# Altium PCB FMC_ADC_250M_16B_4ch.PcbDoc (part 6 of 8)
Units mm, origin at the board's own origin, x right, y up, seen from the top; angles counter-clockwise.
Board outline 76.75 x 69 mm, 8 copper layers (Top Layer, GND(SMAGND), L3, GND, L5, GND (Plane2), Power, Bottom Layer), stack 2.323 mm thick; 401 components, 423 nets, 2219 pads, 1334 vias.
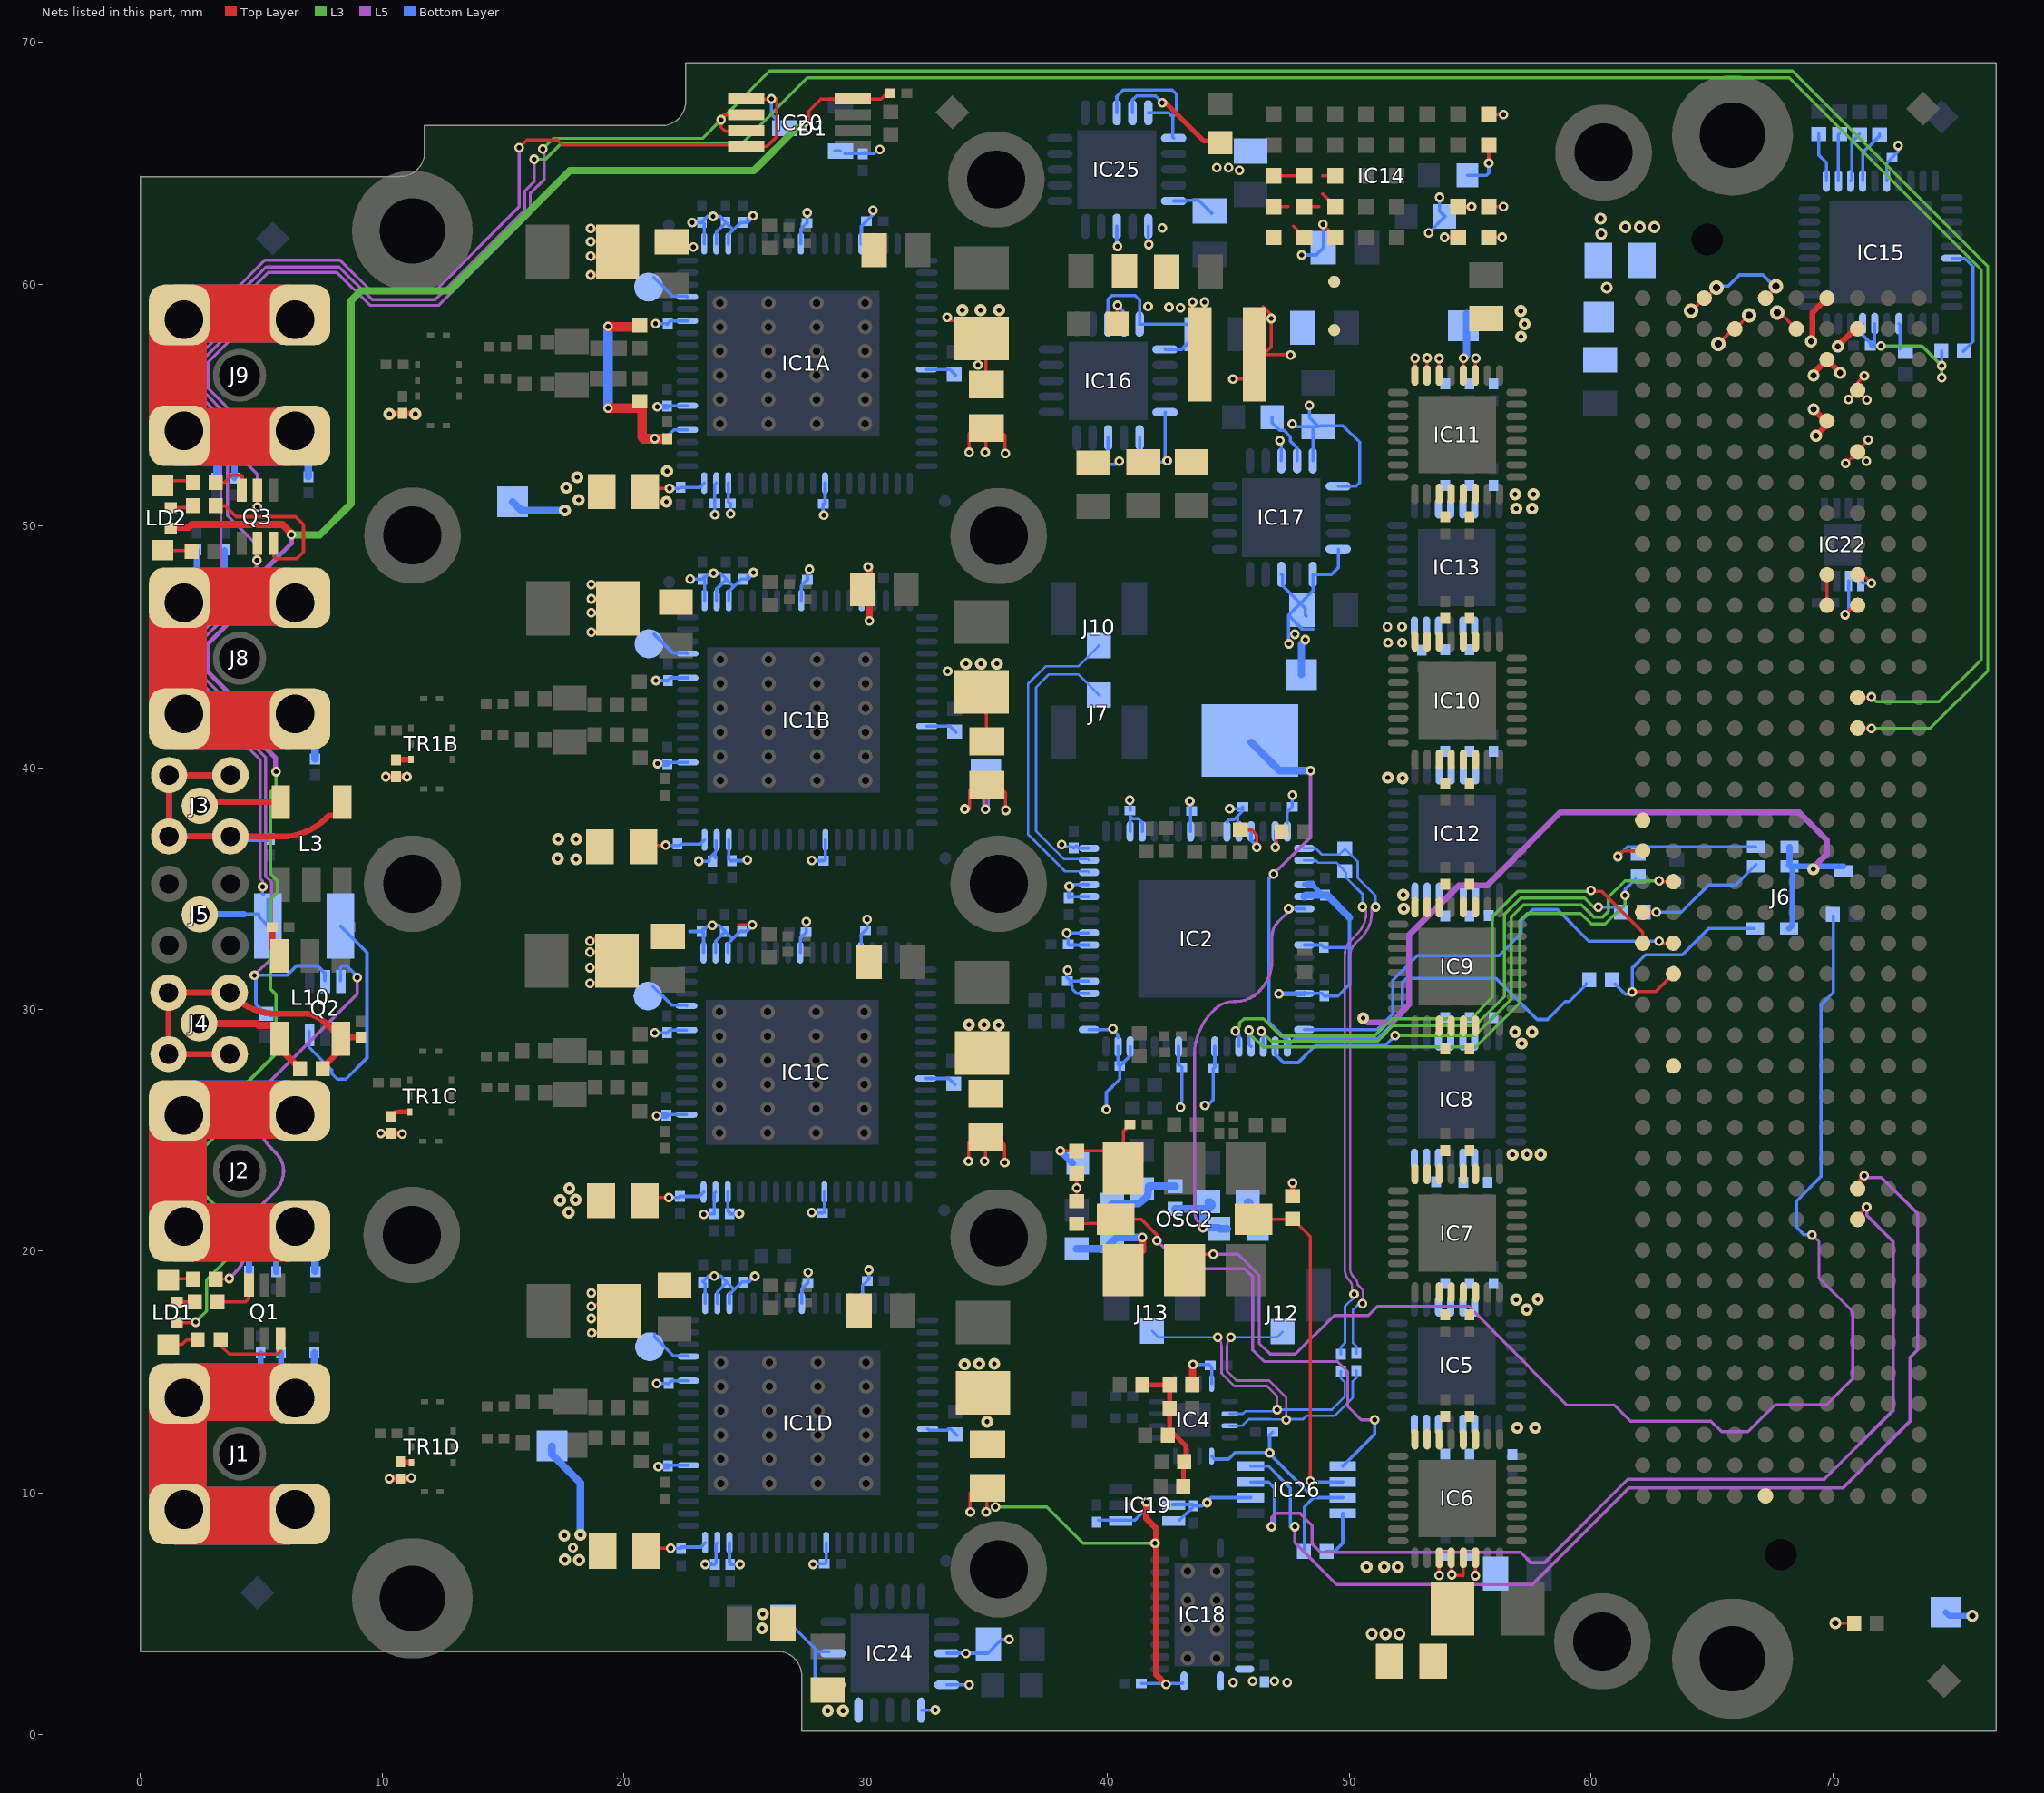
[diagram p12: the nets of this part, all layers, seen from the top]

## Via types
v1: diameter 0.4, hole 0.2, Top Layer to Bottom Layer, tented both sides, 961 vias
v2: diameter 0.5, hole 0.2, Top Layer to Bottom Layer, tented both sides, 314 vias
v3: diameter 0.4, hole 0.2, Top Layer to Bottom Layer, 33 vias
v4: diameter 0.5, hole 0.25, Top Layer to Bottom Layer, tented both sides, 19 vias
v5: diameter 0.6, hole 0.3, Top Layer to Bottom Layer, tented both sides, 7 vias

## Nets (pads, with @x,y where several pads share a name; then routed paths per layer and width w, separated by ;. In a path a pad name is that pad's centre, name@x,y a point inside that pad or via, vN(x,y) a via of type N, cw(c..) or ccw(c..) an arc to the next point about the centre after c; other vN are vias at no path point) (continued)
NetC55B_2: C55B.2 TR1B.3 | length 0.6
  Top Layer w0.135: TR1B.3@11.183,40.331 TR1B.3@11.189,40.331
  Top Layer w0.25: C55B.2@10.575,40.325 TR1B.3@11.183,40.325
NetC55C_2: C55C.2 TR1C.3 | length 0.9
  Top Layer w0.2: C55C.2@10.309,25.584 cw(c10.745,25.148) 10.745,25.764 TR1C.3@11.147,25.764
NetC55D_2: C55D.2 TR1D.3 | length 0.5
  Top Layer w0.25: C55D.2@10.75,11.288 ccw(c10.806,11.343) 10.806,11.264 TR1D.3@11.217,11.264
NetC59_2: C59.2 C63.1 L9.1 OSC2.6 | length 5.7
  Top Layer w0.135: v1(38.054,24.154) 38.059,24.149 L9.1@38.724,24.149 39.932,24.149 OSC2.6@40.655,23.427 ; OSC2.6@40.655,23.232 OSC2.6@40.655,23.427 ; C63.1@40.94,25.238 40.655,24.953 OSC2.6@40.655,23.427
  Bottom Layer w0.3: v1(38.054,24.154) C59.2@38.559,23.649
NetC61_2: C61.2 L10.1 | length 1.3
  Top Layer w0.254: C61.2@5.45,33.4 5.45,32.541 L10.1@5.78,32.211
NetC64_2: C64.2 IC2.6 R40.1 R42.2 | length 20.1
  L5 w0.123: v3(43.952,20.976) 44.059,20.976 cw(c44.325,21.642) 43.608,21.642 43.608,28.127 cw(c46.148,28.127) 44.352,29.923 44.428,29.999 cw(c45.225,29.202) 45.225,30.329 45.342,30.329 ccw(c45.342,31.556) 46.21,30.688 46.282,30.761 ccw(c45.017,32.027) 46.806,32.027 46.806,32.996 cw(c47.705,32.996) 47.069,33.631 ; 47.07,33.631 v1@47.603,34.165
  Bottom Layer w0.135: v1(47.501,34.165) IC2.6@48.142,34.166
  Bottom Layer w0.308: R40.1@42.8,21.755 44.175,21.755 C64.2@44.175,22.05 cw(c44.175,21.9) 44.325,21.9 43.952,21.527 v3(43.952,20.976) 44.574,20.976 R42.2@44.625,20.925 R42.2@44.955,20.925
NetC65_2: C65.2 R40.2 R64.1 | length 3.1
  Bottom Layer w0.308: R64.1@40.191,21.975 41.3,21.975 41.669,22.279 41.695,22.549 41.709,22.695 R40.2@42.8,22.695
NetC66_2: C66.2 OSC2.1 R64.2 | length 4.6
  Top Layer w0.308: OSC2.1@40.655,19.227 41.45,20.022 v3(41.45,20.575)
  Bottom Layer w0.308: C66.2@38.725,20.1 39.916,20.1 R64.2@40.191,20.375 40.391,20.575 v3(41.45,20.575)
NetC67_2: C67.2 R42.1 | length 1.2
  Bottom Layer w0.308: C67.2@45.8,22.05 cw(c45.8,21.955) 45.895,21.955 R42.1@45.895,20.925
NetC69_1: C69.1 IC25.14 | length 5.2
  Top Layer w0.135: C69.1@44.207,65.975 C69.1@44.625,65.975
  Top Layer w0.2: v1(42.269,67.502) 42.398,67.502 43.975,65.925 C69.1@44.425,65.925
  Bottom Layer w0.135: IC25.14@41.039,67.084 41.039,67.619 41.202,67.782 41.99,67.782 v1(42.269,67.502)
NetC73_1: C73.1 IC17.13 IC17.15 IC17.16 L7.2 | length 9
  Bottom Layer w0.135: v1(47.138,53.525) 47.181,53.525 47.197,53.509 IC17.13@47.197,52.69 ; v1(47.648,54.219) 47.759,54.107 C73.1@48.497,54.107 ; v1(48.351,54.982) 48.351,54.488 C73.1@48.732,54.107 C73.1@48.497,54.107 ; IC17.15@48.497,52.69 C73.1@48.497,54.107 ; C73.1@48.808,54.143 49.748,54.143 50.434,53.458 50.434,51.781 50.293,51.64 IC17.16@49.547,51.64
NetC126_1: C126.1 IC16.14 | length 1.7
  Top Layer w0.135: C126.1@40.402,58.358 40.402,59.108 v1(40.415,59.12)
  Bottom Layer w0.135: v1(40.415,59.12) 40.684,58.851 IC16.14@40.684,58.346
NetC128_1: C128.1 IC17.14 | length 2.3
  Bottom Layer w0.135: C128.1@46.82,54.491 46.82,54.252 47.127,53.945 47.312,53.945 47.564,53.693 47.564,53.508 47.847,53.225 IC17.14@47.847,52.69
NetD1_3: D1.3 IC20.1 IC20.4 J5.1 R48.2 | length 64
  Top Layer w0.135: v1(15.675,65.635) 15.993,65.953 17.247,65.953 17.45,65.75 24.981,65.75 25.034,65.697 25.922,65.697 26.325,66.1 26.325,67.647 IC20.1@25.064,67.647 IC20.1@25.034,67.647
  L5 w0.123: v1(5.058,35.079) 5.058,35.318 4.956,35.42 4.956,40.337 3.966,41.327 3.966,42.064 2.264,43.766 2.264,45.306 3.331,46.373 3.331,54.51 2.34,55.501 2.34,56.948 3.791,58.399 3.791,59.626 5.152,60.987 8.266,60.987 9.628,59.625 12.1,59.625 15.675,63.2 v1(15.675,65.635)
  Bottom Layer w0.135: J5.1@2.456,33.925 2.476,33.945 J5.1@3.081,33.945 ; 4.292,33.945 4.897,33.945 4.917,33.925 4.917,33.815 R48.2@5.281,33.45 R48.2@5.281,34.551 ; v1(5.058,35.079) 5.058,34.774 R48.2@5.083,34.749 ; v1(26.1,67.656) 26.1,67.021 D1.3@26.71,66.412
  Bottom Layer w0.254: J5.1@3.081,33.945 4.292,33.945
NetIC1A_15: IC1A.15 TP1A.1 | length 1.7
  Bottom Layer w0.135: TP1A.1@21.239,60.273 22.01,59.502 22.594,59.502 IC1A.15@22.625,59.471
NetIC1A_46: IC1A.46 R1A.1 | length 1.3
  Bottom Layer w0.135: IC1A.46@32.525,56.471 33.471,56.471 R1A.1@33.727,56.215
NetIC1B_15: IC1B.15 TP1B.1 | length 1.7
  Bottom Layer w0.135: TP1B.1@21.253,45.519 22.024,44.748 22.608,44.748 IC1B.15@22.639,44.717
NetIC1B_46: IC1B.46 R1B.1 | length 1.3
  Bottom Layer w0.135: IC1B.46@32.539,41.717 33.485,41.717 R1B.1@33.741,41.461
NetIC1C_15: IC1C.15 TP1C.1 | length 1.7
  Bottom Layer w0.135: TP1C.1@21.21,30.952 21.981,30.181 22.565,30.181 IC1C.15@22.597,30.15
NetIC1C_46: IC1C.46 R1C.1 | length 1.3
  Bottom Layer w0.135: IC1C.46@32.497,27.15 33.443,27.15 R1C.1@33.698,26.894
NetIC1D_15: IC1D.15 TP1D.1 | length 1.8
  Bottom Layer w0.135: TP1D.1@21.28,16.578 21.28,16.452 22.051,15.681 22.635,15.681 IC1D.15@22.667,15.65
NetIC1D_46: IC1D.46 R1D.1 | length 1.3
  Bottom Layer w0.135: IC1D.46@32.567,12.65 32.612,12.605 33.377,12.605 33.422,12.65 33.513,12.65 R1D.1@33.768,12.394
NetIC2_61: IC2.61 R30.1 | length 2
  Top Layer w0.135: R30.1@45.52,37.416 45.984,37.416 46.181,37.219 v1(46.181,36.705)
  Bottom Layer w0.135: IC2.61@45.942,37.366 45.942,36.994 46.206,36.73 v1(46.181,36.705)
NetIC2_63: IC2.63 R29.1 | length 1.2
  Top Layer w0.135: v1@47.006,36.768 47.006,37.149 R29.1@47.113,37.256
  Bottom Layer w0.135: v1(46.943,36.705) IC2.63@46.942,37.366
NetIC14_A2: IC14.A2 R43.1 | length 2.1
  Top Layer w0.135: v1(55.774,65.006) IC14.A2@55.774,65.743
  Bottom Layer w0.135: R43.1@54.897,64.498 55.68,64.498 55.774,64.592 v1(55.774,65.006)
NetIC15_11: IC15.11 R32.1 | length 2.1
  Bottom Layer w0.135: R32.1@69.431,66.225 R32.1@69.431,66.205 69.431,65.325 69.738,65.019 IC15.11@69.738,64.263
NetIC15_12: IC15.12 R33.1 | length 2
  Bottom Layer w0.135: IC15.12@70.238,64.263 70.238,66.181 R33.1@70.281,66.225
NetIC15_13: IC15.13 R34.1 | length 2.1
  Bottom Layer w0.135: IC15.13@70.738,64.263 70.801,64.326 70.801,65.895 R34.1@71.106,66.2
NetIC15_14: IC15.14 R35.1 | length 2.2
  Bottom Layer w0.135: IC15.14@71.238,64.263 71.238,65.442 71.476,65.68 71.497,65.68 71.931,66.114 R35.1@71.931,66.18 R35.1@71.931,66.2
NetIC15_26: IC15.26 R47.2 | length 4.7
  Bottom Layer w0.135: IC15.26@74.938,61.063 75.468,61.063 75.806,60.725 75.806,57.625 R47.2@75.406,57.225
NetIC15_34: IC15.34 R46.2 | length 1.1
  Bottom Layer w0.135: IC15.34@72.738,58.363 72.781,58.319 R46.2@72.781,57.325
NetIC26_5: IC26.5 OSC2.7 R12.1 | length 21.1
  Top Layer w0.135: R12.1@38.724,21.156 40.172,21.156 OSC2.7@40.342,21.327 41.405,21.327 42.056,20.675 v1(42.056,20.44) v1@42.045,20.44
  L5 w0.123: 46.006,18.95 46.006,15.924 46.485,15.445 49.508,15.445 49.94,15.013 49.94,13.591 50.499,13.032 v1(51.057,13.032)
  L5 w0.135: v1(42.056,20.44) 43.215,19.28 45.676,19.28 46.006,18.95
  Bottom Layer w0.135: IC26.5@49.732,11.111 51.057,12.437 v1(51.057,13.032)
NetIC26_6: IC26.6 OSC2.8 R13.1 | length 14
  Top Layer w0.135: OSC2.8@46.047,21.327 47.632,21.327 47.665,21.359 R13.1@47.665,21.339 48.39,20.614 v1(48.39,10.492)
  Bottom Layer w0.135: v1@48.523,10.461 IC26.6@49.732,10.461
NetIC26_8: IC26.8 R55.2 | length 2.1
  Bottom Layer w0.135: R55.2@49.044,7.596 R55.2@49.064,7.596 49.406,7.596 49.732,7.921 IC26.8@49.732,9.161
NetJ1_2: C9D.2 C54D.2 C55D.1 J1.2 R41D.2 | length 32.6
  Top Layer w0.135: J1.2@6.406,9.325 J1.2@6.781,8.95 ; C55D.1@10.75,10.588 cw(c10.84,10.497) 10.84,10.625 v1(11.2,10.625)
  Top Layer w0.25: v1(10.3,10.6) 10.72,10.6 cw(c10.72,10.558) C55D.1@10.75,10.588 11.11,10.588 ccw(c11.11,10.715) v1(11.2,10.625)
  Top Layer w2.4: J1.2@6.055,9.069 1.553,9.069 1.553,14.175 6.056,14.175 J1.2@6.117,14.114
  Bottom Layer w0.25: 4.975,15.256 C54D.2@4.975,15.8 ; J1.2@5.825,14.406 C9D.2@5.825,15.8
  Bottom Layer w0.308: J1.2@7.2,15.319 R41D.2@7.2,15.795
  Bottom Layer w2.4: J1.2@6.055,9.069 1.553,9.069 1.553,14.175 J1.2@6.056,14.175
NetJ2_2: C9C.2 C54C.2 C55C.1 J2.2 R41C.2 | length 34.7
  Top Layer w0.2: J2.2@6.083,20.779 J2.2@6.112,20.75
  Top Layer w0.25: v1(9.95,24.875) C55C.1@10.375,24.875 v1@10.8,24.875
  Top Layer w2.4: J2.2@6.083,20.779 1.553,20.779 1.553,25.859 6.11,25.859 J2.2@6.154,25.814
  Bottom Layer w0.25: C54C.2@4.5,19.175 4.5,20.744 ; C9C.2@5.625,19.15 5.625,20.339 J2.2@6.055,20.769
  Bottom Layer w0.308: J2.2@6.425,20.9 7.225,20.1 R41C.2@7.225,19.175
  Bottom Layer w2.4: J2.2@6.055,20.769 1.553,20.769 1.553,25.875 J2.2@6.056,25.875
  other v1: 10.825,24.85
NetJ3_1: J3.1 L3.4 | length 2.8
  Top Layer w0.135: L3.4@5.667,38.712 L3.4@5.704,38.675
  Top Layer w0.245: J3.1@3.093,38.578 L3.4@5.812,38.578
NetJ3_2: J3.2 L3.5 R24.2 | length 21.3
  Top Layer w0.245: J3.2@3.729,37.155 J3.2@1.189,37.155 J3.2@1.189,39.695 J3.2@3.729,39.695 ; J3.2@4.298,37.155 5.877,37.155 ccw(c5.877,39.695) 7.673,37.899 7.796,38.022 8.352,38.022 L3.5@8.352,38.578
  Bottom Layer w0.245: J3.2@1.189,39.695 J3.2@3.729,39.695 ; J3.2@1.223,39.522 ccw(c1.684,38.996) 1.189,39.49 J3.2@1.189,37.155 J3.2@3.729,37.155 ; J3.2@3.986,37.049 R24.2@5.35,37.049
NetJ4_1: J4.1 L10.5 R28.1 | length 5.4
  Top Layer w0.3: J4.1@2.434,29.425 2.438,29.421 4.829,29.421 4.9,29.35 5.55,29.35 5.78,29.12 5.78,28.375 R28.1@6.605,27.55
NetJ4_2: J4.2 L10.4 R28.2 R37.1 | length 15.1
  Top Layer w0.254: J4.2@3.704,28.155 J4.2@1.164,28.155 J4.2@1.164,30.695 J4.2@3.704,30.695 ; J4.2@3.83,30.569 ccw(c5.626,32.365) 4.7,30 ccw(c5.626,32.365) 5.626,29.825 6.75,29.825 cw(c6.75,28.556) 7.647,29.453 L10.4@8.305,28.795 ; R28.2@7.545,27.55 7.545,27.601 8.147,28.204 8.199,28.204 8.32,28.325 8.32,28.781 L10.4@8.305,28.795 ; L10.4@8.295,28.785 L10.4@8.305,28.795 ; R37.1@9.125,28.845 8.355,28.845 L10.4@8.305,28.795
NetJ8_2: C9B.2 C54B.2 C55B.1 J8.2 R41B.2 | length 33.7
  Top Layer w0.135: J8.2@6.306,46.825 J8.2@6.93,46.825
  Top Layer w0.2: J8.2@6.062,41.962 J8.2@6.145,41.962
  Top Layer w0.25: v1(10.15,39.625) C55B.1@10.575,39.625 v1(11.025,39.625)
  Top Layer w2.4: J8.2@6.062,41.962 1.553,41.962 1.553,47.068 6.063,47.068 J8.2@6.117,47.014
  Bottom Layer w0.25: J8.2@2.332,47.854 C54B.2@2.332,49 ; C9B.2@3.5,49 3.5,47.975 4.202,47.273 4.202,47.075
  Bottom Layer w0.308: R41B.2@7.225,40.355 J8.2@7.225,40.8
  Bottom Layer w2.4: J8.2@6.055,41.969 1.553,41.969 1.553,47.075 4.202,47.075 4.203,47.073 6.055,47.073 J8.2@6.056,47.075
NetJ9_2: C9A.2 C54A.2 C55A.1 J9.2 R41A.2 | length 32.5
  Top Layer w0.135: v2@11.35,54.65 v2(11.375,54.625)
  Top Layer w0.25: v2(10.3,54.625) cw(c10.36,54.565) 10.36,54.65 C55A.1@10.85,54.65 v2@11.35,54.65
  Top Layer w0.5: J9.2@6.406,54.023 J9.2@6.555,53.875
  Top Layer w2.4: J9.2@6.153,53.672 2.06,53.672 J9.2@1.806,53.925 1.553,54.179 1.553,58.271 J9.2@1.806,58.525 2.059,58.777 J9.2@6.154,58.777
  Bottom Layer w0.25: C9A.2@3.145,51.975 3.145,52.914 ; C54A.2@3.9,51.975 3.9,53.669
  Bottom Layer w0.308: R41A.2@6.95,52.03 J9.2@6.95,52.775
  Bottom Layer w2.4: J9.2@6.055,53.669 3.9,53.669 1.553,53.669 1.553,58.775 J9.2@6.056,58.775
NetLD1_1: LD1.1 R2.2 | length 1.3
  Top Layer w0.135: LD1.1@1.156,16.15 1.721,16.15 1.905,16.334 R2.2@2.378,16.334 R2.2@2.398,16.334
NetLD1_3: LD1.3 R11.2 | length 0.5
  Top Layer w0.135: LD1.3@1.506,17.9 R11.2@2.021,17.9
NetLD1_4: LD1.4 R27.2 | length 0.5
  Top Layer w0.135: LD1.4@1.412,18.888 1.412,18.863 R27.2@1.92,18.863
NetLD2_1: LD2.1 R65.2 | length 1.4
  Top Layer w0.135: LD2.1@1.131,49 LD2.1@0.906,49 0.926,48.98 R65.2@2.112,48.98
NetLD2_3: LD2.3 R38.2 | length 0.9
  Top Layer w0.135: LD2.3@1.256,50.75 R38.2@2.118,50.75
NetLD2_4: LD2.4 R39.2 | length 1.1
  Top Layer w0.135: LD2.4@1.156,51.675 1.352,51.871 R39.2@2.162,51.871
NetQ1_3: Q1.3 R11.1 | length 2
  Top Layer w0.135: R11.1@3.171,17.909 R11.1@3.191,17.909 4.347,17.909 4.495,18.056 Q1.3@4.495,18.662
NetQ1_6: Q1.6 R2.1 | length 3.6
  Top Layer w0.135: R2.1@3.298,16.334 3.298,16.138 3.686,15.75 5.693,15.75 5.795,15.851 Q1.6@5.795,16.562
NetQ2_3: Q2.3 R48.1 | length 10
  Bottom Layer w0.135: Q2.3@6.981,29.1 6.981,28.431 7.926,27.487 7.926,27.341 8.142,27.125 8.509,27.125 9.376,27.992 9.376,32.355 R48.1@8.281,33.45
NetQ2_6: Q2.6 R27.1 | length 17.3
  Top Layer w0.135: R27.1@3.115,18.848 v1@3.763,18.848
  L5 w0.135: v1(3.686,18.874) 3.841,19.029 ccw(c2.07,20.8) 4.575,20.8 cw(c6.205,20.8) 5.052,21.952 5.571,22.471 ccw(c4.718,23.325) 5.925,23.325 ccw(c4.899,23.325) 5.624,24.051 5.45,24.225 cw(c7.2,25.975) 4.725,25.975 cw(c5.725,25.975) 5.018,26.682 ; 5.018,26.682 8.973,30.637 v1(8.973,31.325)
  Bottom Layer w0.135: Q2.6@8.281,31.2 8.281,31.724 8.36,31.802 8.538,31.802 8.973,31.367 v1(8.973,31.325)
NetQ3_3: Q3.3 R39.1 | length 1.9
  Top Layer w0.135: R39.1@3.095,51.792 R39.1@3.115,51.792 3.483,51.792 3.788,52.097 4.16,52.097 4.215,52.042 Q3.3@4.215,51.428
NetQ3_6: Q3.6 R38.1 | length 7.1
  Top Layer w0.135: R38.1@3.095,50.827 R38.1@3.115,50.827 3.509,50.827 3.961,50.375 6.424,50.375 6.75,50.049 6.75,48.925 6.468,48.643 5.617,48.643 5.515,48.744 Q3.6@5.515,49.328
NetR5_2: R5.2 R7.1 R22.2 R25.2 R54.2 R56.2 | length 5.4
  Top Layer w0.2: 41.745,14.475 R5.2@42.58,14.475 R7.1@42.58,13.5 42.58,12.478 R54.2@42.495,12.393 ; R54.2@42.65,12.55 43.245,11.955 R22.2@43.245,11.3 ; R25.2@43.145,10.275 R22.2@43.145,11.275
P1V8_AVDD1: AVDD1.1 C39.1 C40.1 C75.1 IC24.1 IC24.3 IC24.20 L4C.1 L4D.1 | length 8.2
  Bottom Layer w0.135: C40.1@26.581,4.675 26.801,4.675 27.904,3.572 ; IC24.1@28.209,2.073 27.904,2.378 27.904,3.572 ; IC24.3@28.488,3.445 28.031,3.445 27.904,3.572
  Bottom Layer w0.308: AVDD1.1@17.025,11.95 17.025,11.6 18.201,10.424 v2(18.201,8.271)
  other v1: 17.896,7.738
  other v2: 28.437,1.007 29.072,1.007 25.719,4.41 25.745,4.994 18.15,7.23 17.566,7.255 17.541,8.246 17.718,21.606 17.363,22.114 18.006,22.125 17.744,22.597
P1V8_AVDD2: AVDD2.1 C43.1 C44.1 C45.1 IC25.1 IC25.3 IC25.20 L4A.1 L4B.1 | length 5.7
  Bottom Layer w0.135: IC25.3@40.389,62.384 40.389,61.584 v1(40.415,61.559) ; IC25.1@41.689,62.384 41.689,61.656 v1(41.71,61.635) ; IC25.20@42.739,63.434 43.255,63.434 43.285,63.464 43.782,63.464 C44.1@44.326,62.919
  Bottom Layer w0.308: AVDD2.1@15.4,51 15.762,50.638 v2(17.566,50.638)
  other v1: 42.269,62.321
  other v2: 18.023,36.211 17.261,36.236 17.287,37.049 18.023,37.049 18.125,51.07 17.617,51.578 18.074,52.01
P1V8_OVDD: C25.1 C71.1 C72.1 C125.1 C129.2 IC16.1 IC16.3 IC16.20 IC18.1 IC19.1 L5A.2 L5B.2 L5C.2 L5D.2 OVDD.1 | length 45.3
  Top Layer w0.135: v1@34.076,38.294 v1(34.101,38.294) 34.295,38.294 34.3,38.289 34.3,39.072 L5B.2@34.994,39.766 ; v1(34.257,23.722) 34.257,24.505 L5C.2@34.952,25.199 ; v1(34.285,53.043) 34.285,53.826 L5A.2@34.98,54.52 ; v1(34.327,9.222) 34.327,10.005 35.022,10.699 35.022,9.256 v1(34.987,9.222) ; v1(34.917,23.722) 34.952,23.756 L5C.2@34.952,25.199 ; v1(34.946,53.043) 34.98,53.077 L5A.2@34.98,54.52 ; v1(34.96,38.289) 34.994,38.323 L5B.2@34.994,39.766 ; v1(35.756,23.671) 35.743,23.684 35.743,24.408 L5C.2@34.952,25.199 ; v1(35.784,52.992) 35.772,53.004 35.772,53.729 L5A.2@34.98,54.52 ; v1(35.798,38.238) 35.786,38.25 35.786,38.975 L5B.2@34.994,39.766 ; v1(41.964,7.926) v1@42.015,7.977
  Top Layer w0.254: v1(41.609,9.628) 41.609,8.942 42.015,8.536 42.015,7.977 42.015,2.495 v1(42.424,2.086)
  L3 w0.135: v1(35.375,9.425) 37.494,9.425 38.992,7.926 v1(41.964,7.926)
  Bottom Layer w0.135: C129.2@39.634,8.88 41.14,8.88 41.609,9.349 v1(41.609,9.628) ; IC16.3@40.034,53.646 40.034,52.643 40.135,52.542 40.364,52.542 v1(40.491,52.669) ; IC16.1@41.334,53.646 41.334,52.791 41.482,52.643 42.447,52.643 42.472,52.669 v1(42.472,52.694) 42.384,52.783 IC16.20@42.384,54.696 ; C25.1@41.411,2.124 v1@42.385,2.124 ; v1(42.424,2.086) v1@42.385,2.124 ; IC18.1@43.118,2.15 43.093,2.124 v1@42.385,2.124
  Bottom Layer w0.308: v1@34.975,38.304 OVDD.1@34.975,39.7
P1V8AA: C1A.2 C2A.2 C3A.2 C4A.2 C5A.2 C6A.2 C13A.1 C24A.2 C52A.2 C133A.2 IC1A.6 IC1A.13 IC1A.19 IC1A.20 IC1A.21 IC1A.70 IC1A.71 IC1A.72 L4A.2 | length 19.1
  Top Layer w0.135: v1(18.626,60.378) 18.843,60.378 18.929,60.292 19.045,60.409 C13A.1@19.045,60.642 ; v1(18.626,61.153) 18.78,61.153 19.168,60.764 C13A.1@19.742,61.338 ; v1(18.626,62.303) 18.778,62.303 C13A.1@19.742,61.338 ; C13A.1@18.863,60.46 C13A.1@19.742,61.338 ; L4A.2@20.885,51.417 21.012,51.544 v1(21.89,51.544)
  Bottom Layer w0.135: v1(21.312,58.357) C1A.2@21.814,58.357 ; v1(21.382,54.922) v1@21.388,54.928 ; C5A.2@21.789,54.928 21.831,54.971 IC1A.6@22.625,54.971 ; C1A.2@21.789,58.332 C1A.2@21.814,58.357 ; v1(21.89,51.544) 22.302,51.544 C24A.2@22.347,51.589 23.144,51.589 IC1A.72@23.325,51.771 ; IC1A.13@22.625,58.471 21.928,58.471 C1A.2@21.814,58.357 ; v1(22.827,62.548) C2A.2@23.236,62.548 ; IC1A.19@23.325,61.671 23.325,62.485 23.236,62.573 23.459,62.796 v1(23.694,62.796) 23.979,62.796 C4A.2@24.227,62.548 ; v1(23.764,50.46) C6A.2@23.764,50.935 23.764,51.71 IC1A.71@23.825,51.771 ; IC1A.20@23.825,61.671 23.825,62.146 C4A.2@24.227,62.548 ; IC1A.70@24.325,51.771 24.325,50.985 C133A.2@24.393,50.917 ; IC1A.21@24.325,61.671 24.325,62.036 24.526,62.238 ; v1(24.41,50.498) C133A.2@24.41,50.935 ; C4A.2@24.227,62.548 24.227,62.537 24.526,62.238 ; 24.526,62.238 24.837,62.548 C3A.2@24.913,62.548 25.122,62.548 ; 25.122,62.548 25.122,62.722 25.222,62.822 v1(25.345,62.822) 25.345,62.771 25.122,62.548
  Bottom Layer w0.254: v1@21.388,54.928 C5A.2@21.789,54.928
  other v1: 22.875,61.525 18.626,61.753
  other v2: 21.757,50.994 21.782,52.264
P1V8AB: C1B.2 C2B.2 C3B.2 C4B.2 C5B.2 C6B.2 C13B.1 C24B.2 C52B.2 C133B.2 IC1B.6 IC1B.13 IC1B.19 IC1B.20 IC1B.21 IC1B.70 IC1B.71 IC1B.72 L4B.2 | length 20.1
  Top Layer w0.135: v1(18.651,45.602) 18.857,45.602 18.875,45.62 18.95,45.545 19.06,45.655 C13B.1@19.06,45.888 ; v1(18.651,46.402) 18.791,46.402 19.182,46.01 C13B.1@19.756,46.584 ; v1(18.651,46.977) 18.816,46.977 C13B.1@18.875,46.918 ; v1(18.651,47.577) 18.763,47.577 C13B.1@19.756,46.584 ; C13B.1@18.878,45.706 C13B.1@19.756,46.584 ; L4B.2@20.899,36.663 21.026,36.79 v1@21.904,36.79
  Bottom Layer w0.135: v1(21.326,43.603) C1B.2@21.828,43.603 ; v1(21.396,40.168) v1@21.402,40.174 ; C5B.2@21.803,40.174 21.845,40.217 IC1B.6@22.639,40.217 ; C1B.2@21.803,43.578 C1B.2@21.828,43.603 ; v1@21.904,36.79 22.316,36.79 22.362,36.835 23.158,36.835 IC1B.72@23.339,37.017 ; IC1B.13@22.639,43.717 21.942,43.717 C1B.2@21.828,43.603 ; v1(22.748,47.793) C2B.2@23.251,47.794 ; v1(23.103,36.135) 23.109,36.129 23.535,36.129 23.535,36.262 23.778,36.505 ; IC1B.19@23.339,46.917 23.339,47.731 C2B.2@23.251,47.819 ; C2B.2@23.347,47.915 C2B.2@23.251,47.819 ; C6B.2@23.778,36.287 23.778,36.505 ; IC1B.71@23.814,36.973 23.814,36.541 23.778,36.505 ; IC1B.20@23.839,46.917 23.839,47.392 C4B.2@24.241,47.794 ; IC1B.70@24.339,37.017 24.339,36.231 C133B.2@24.445,36.125 ; IC1B.21@24.339,46.917 24.339,47.282 24.54,47.484 ; C133B.2@24.475,36.155 25.079,36.155 v1(25.11,36.186) ; C2B.2@23.251,47.819 23.319,47.819 23.542,48.042 v1(23.708,48.042) 23.993,48.042 C4B.2@24.241,47.794 ; C4B.2@24.241,47.794 24.241,47.783 24.54,47.484 ; 24.54,47.484 24.851,47.794 C3B.2@24.927,47.794 25.136,47.794 ; 25.136,47.794 25.136,47.986 25.218,48.068 v1(25.359,48.068) 25.359,48.017 25.136,47.794
  Bottom Layer w0.254: v1@21.402,40.174 C5B.2@21.803,40.174
  other v1: 21.732,36.795
P1V8AC: C1C.2 C2C.2 C3C.2 C4C.2 C5C.2 C6C.2 C13C.1 C24C.2 C52C.2 C133C.2 IC1C.6 IC1C.13 IC1C.19 IC1C.20 IC1C.21 IC1C.70 IC1C.71 IC1C.72 L4C.2 | length 19.3